# Altium PCB Flight_Controller.PcbDoc (part 1 of 2)
Units mm, origin at the board's own origin, x right, y up, seen from the top; angles counter-clockwise.
Board outline 50 x 50 mm, 2 copper layers (Top Layer, Bottom Layer), stack 1.569 mm thick; 102 components, 121 nets, 487 pads, 245 vias.
Unrouted connection lines stored in the file: 77.
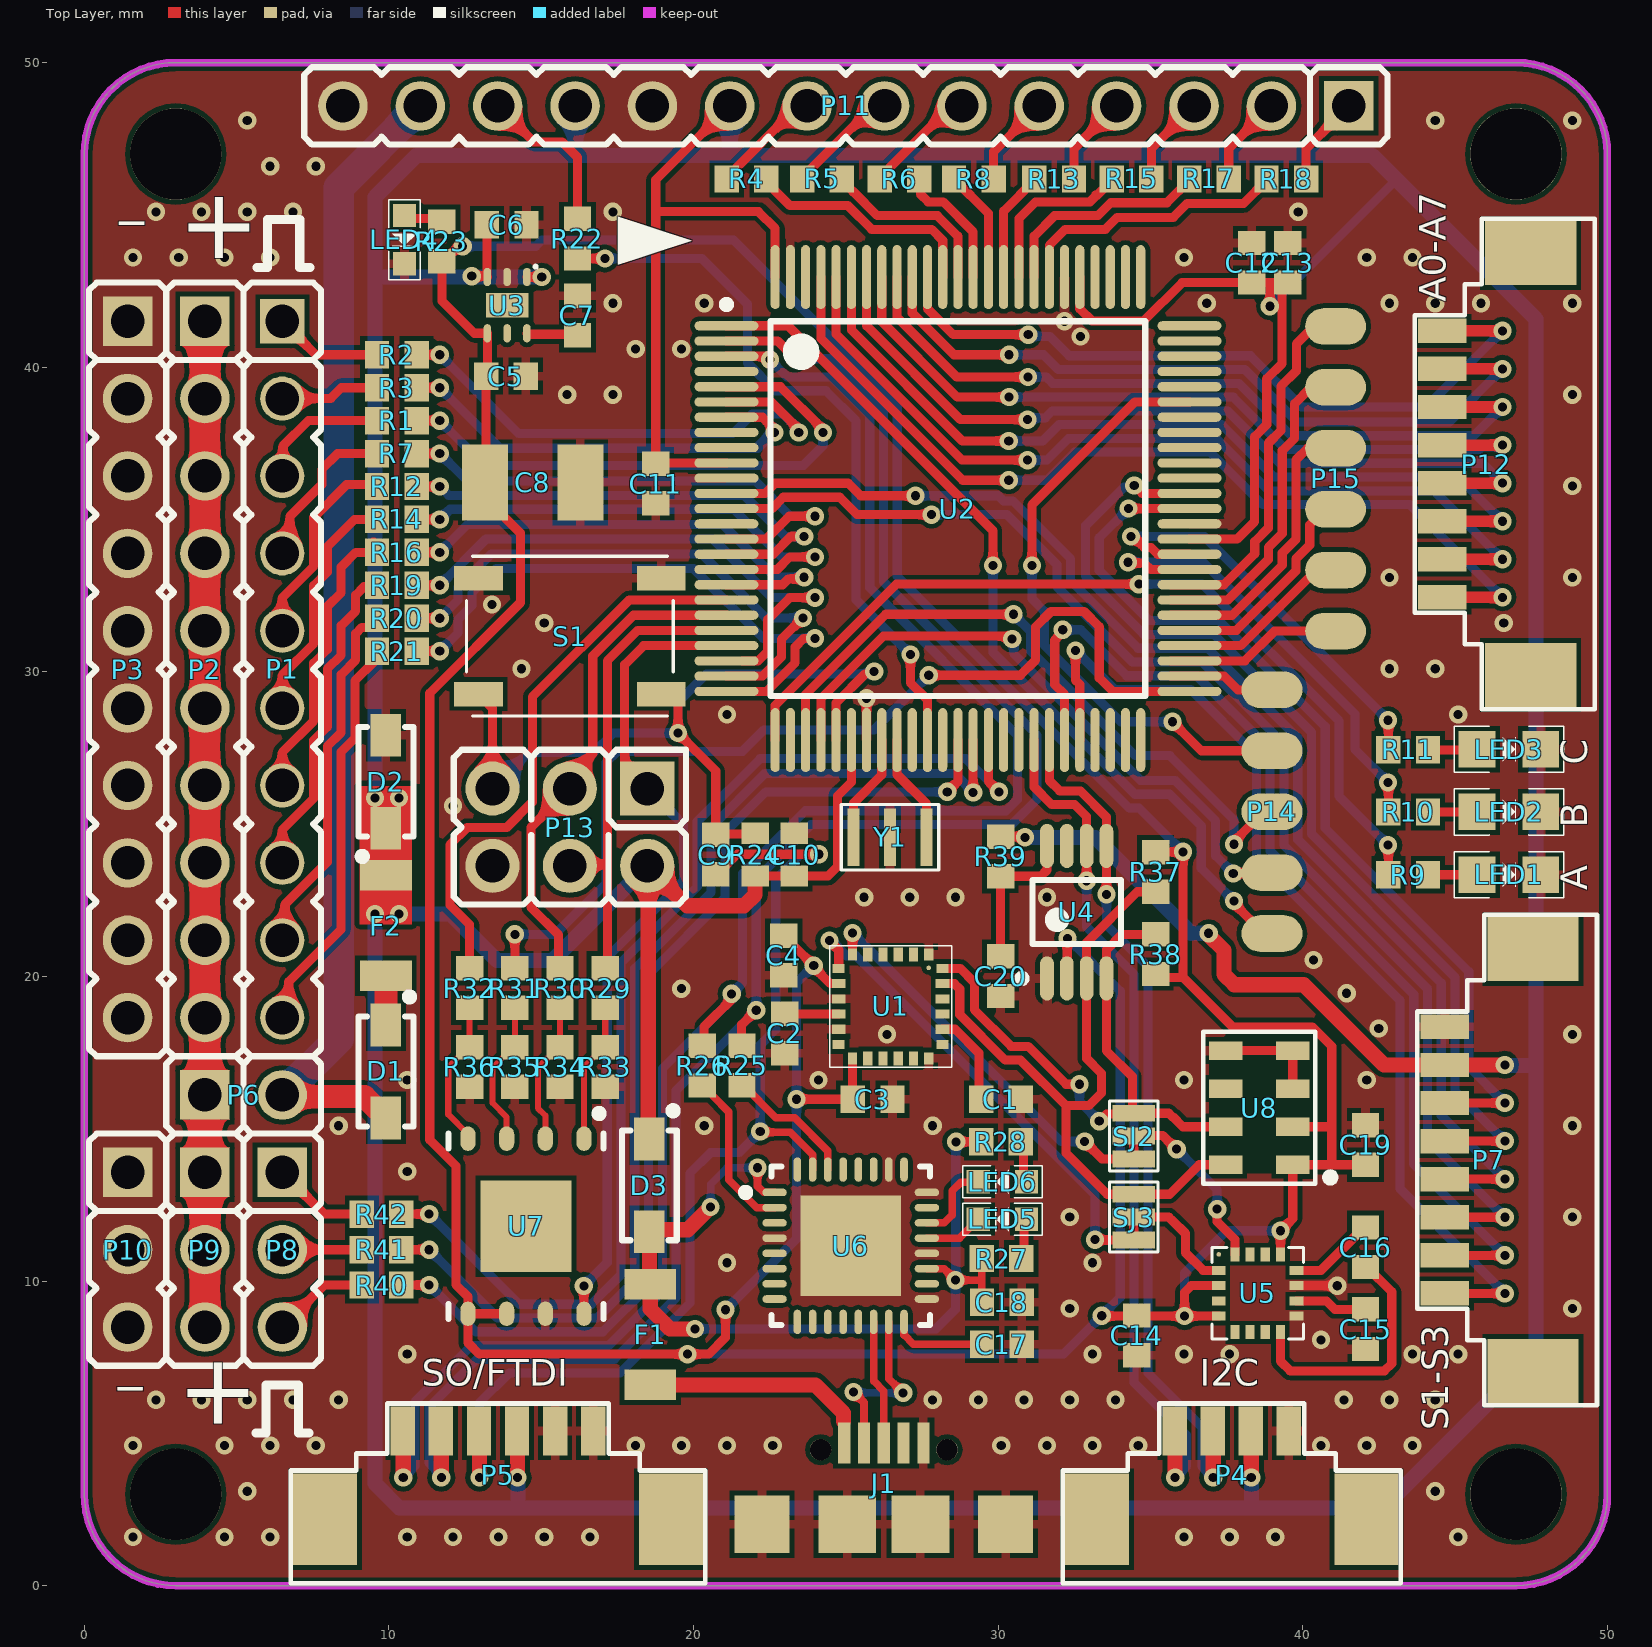
[diagram p0: Top Layer view]
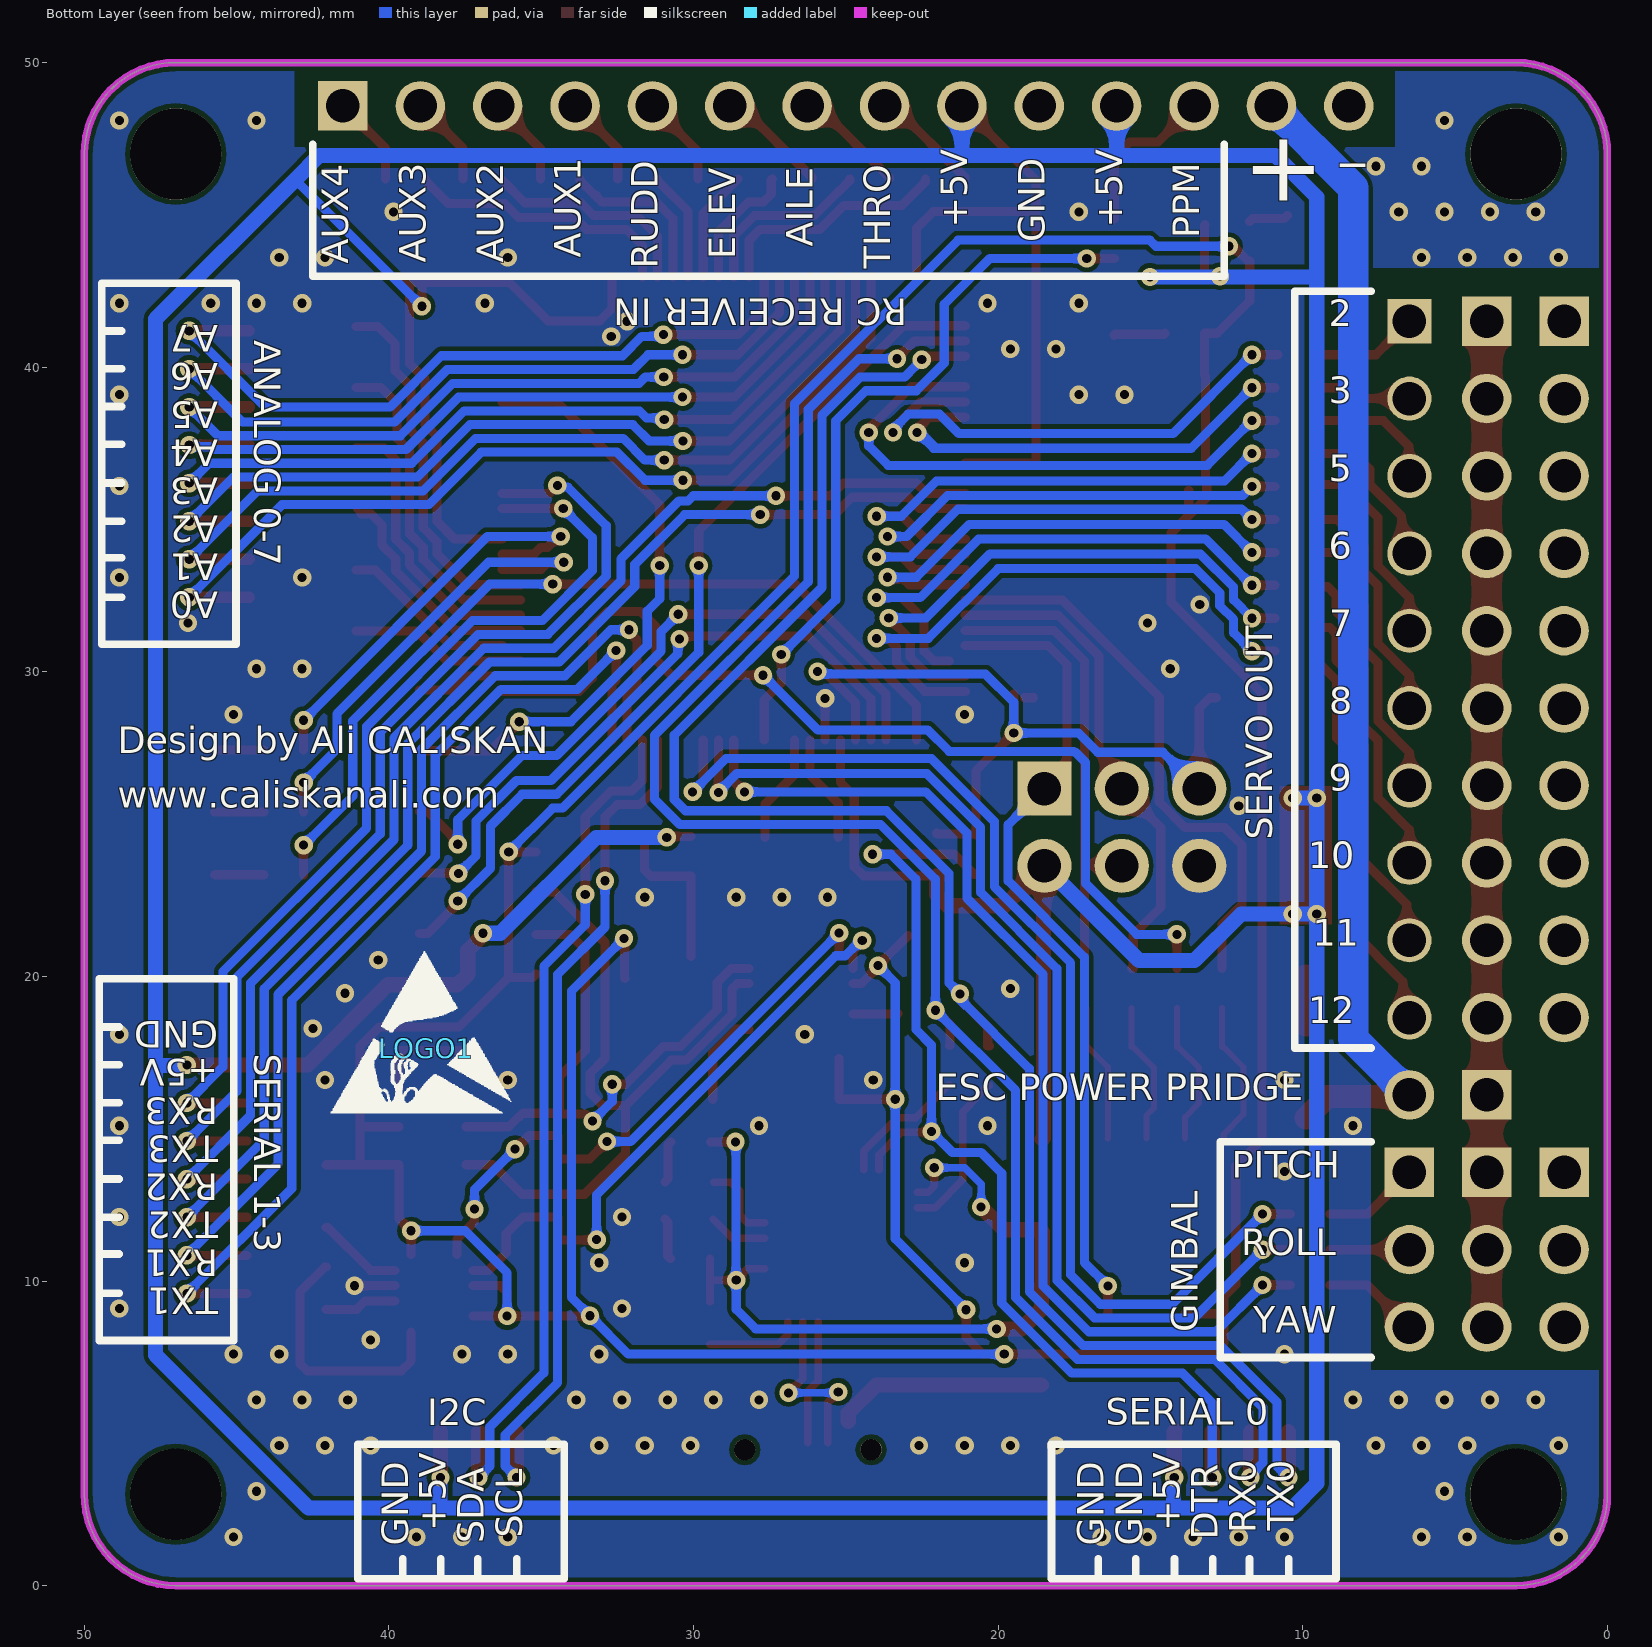
[diagram p1: Bottom Layer view, seen from below]
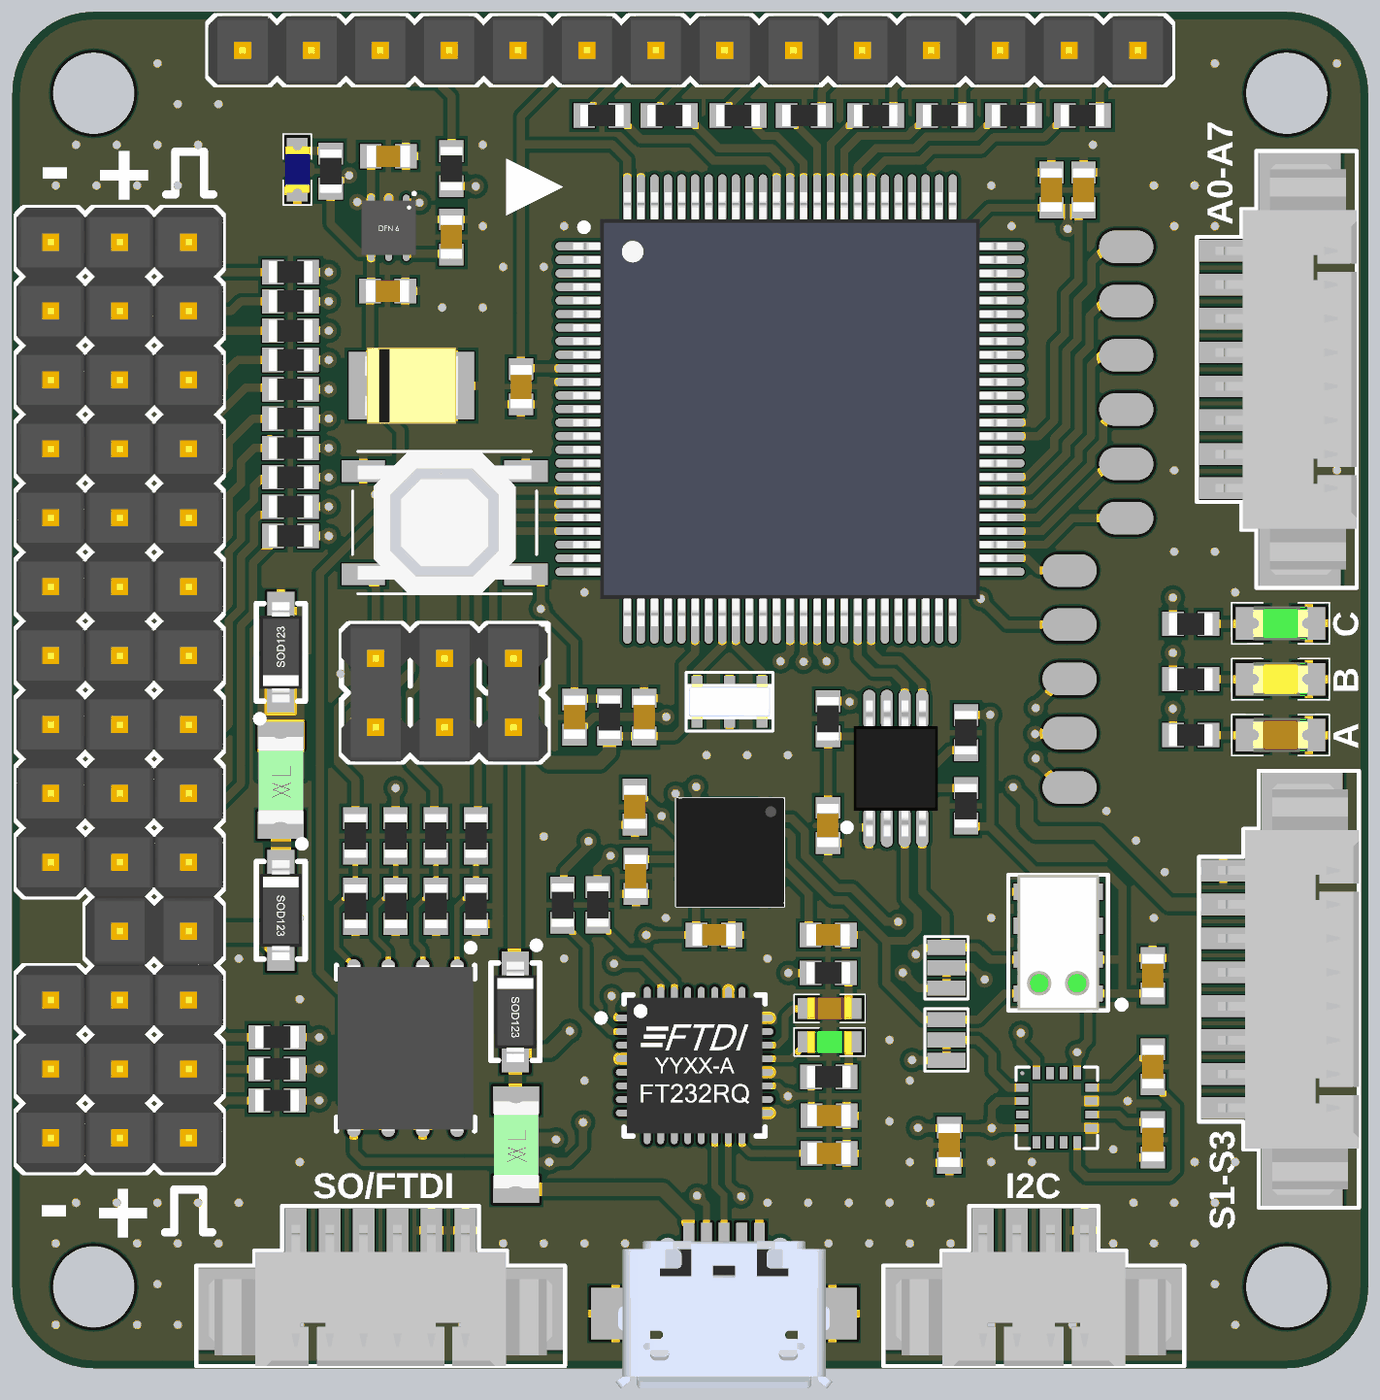
[diagram p3: 3D render of the assembled board from above, using the file's embedded part models]

## Layer stack, top to bottom
Top Solder: solder mask 0.0254, SM-003, Dk 4
Top Layer: signal copper 0.035
Dielectric 1: core 1.4986, Core-043, Dk 4.6
Bottom Layer: signal copper 0.035
Bottom Solder: solder mask 0.0254, SM-003, Dk 4

## Board outline
3,0 cw(c3,3) 0,3 0,47 cw(c3,47) 3,50 47,50 cw(c47,47) 50,47 50,3 cw(c47,3) 47,0

## Design rules (kind name [scope] priority, off if disabled: settings)
Clearance [All] p1: gap=0.152 ignorepadtopadclearanceinfootprint=FALSE
HoleSize [All] p1: absolutevalues=TRUE maxlimit=3 minlimit=0.025 maxpercent=80.000 minpercent=20.000
HoleToHoleClearance [All] p1: gap=0.1 allowstackedmicrovias=TRUE
MinimumSolderMaskSliver [All] p1: minsoldermaskwidth=0
PolygonConnect PolygonConnect_1 [InComponent('U3','U6','U5')] p1: connectstyle=Direct reliefconductorwidth=0.254 reliefentries=4 polygonreliefangle="90 Angle" airgapwidth=0.254
PolygonConnect [All] p2: thpad.connectstyle=Direct thpad.reliefconductorwidth=0.254 thpad.reliefentries=4 thpad.polygonreliefangle="90 Angle" thpad.airgapwidth=0.3 smdpad.connectstyle=Relief smdpad.reliefconductorwidth=0.3 smdpad.reliefentries=4 smdpad.polygonreliefangle="90 Angle" smdpad.airgapwidth=0.152 via.connectstyle=Direct via.reliefconductorwidth=0.254 via.reliefentries=4 via.polygonreliefangle="90 Angle" via.airgapwidth=0.254
RoutingVias [All] p1: holewidth=0.3 width=0.6 viastyle="Through Hole" minholewidth=0.3 minwidth=0.6 maxholewidth=0.3 maxwidth=0.6
SilkToSilkClearance [All] p1: silktosilkclearance=0.1
SilkToSolderMaskClearance [IsPad] p1: minsilkscreentomaskgap=0 clearancetoexposedcopper=TRUE
SolderMaskExpansion [All] p1: expansion=0.102
Width [All] p1 off: maxlimit=0.254 minlimit=0.254 preferedwidth=0.254
25 further rules are at their usual default settings.

## Classes and differential pairs
component class F: C20 R37 R38 R39 U4
component class C: C14 C15 C16 U5
component class D: R29 R30 R31 R32 R33 R34 R35 R36 U7
component class E: C1 C2 C3 C4 U1
component class Main: D1 D2 F2 LOGO1 P1 P2 P3 P4 P5 P6 P7 P8 P9 P10 P11 P12 SJ2 SJ3
component class A: C5 C6 C7 C8 C9 C10 C11 C12 C13 LED1 LED2 LED3 LED4 P13 P14 P15 R1 R2 R3 R4 R5 R6 R7 R8 R9 R10 R11 R12 R13 R14 R15 R16 R17 R18 R19 R20 R21 R22 R23 R24 R40 R41 R42 S1 U2 U3 Y1
component class G: C19 U8
component class B: C17 C18 D3 F1 J1 LED5 LED6 R25 R26 R27 R28 U6

## Components (designator, comment, footprint, x,y, rotation, side; value= is the part's Value field where it differs from the comment)
C1 "2.2nF" C0603(1608)#1 30.09,15.97 r180 top
C2 "100nF" C0603(1608)#1 22.99,18.13 r90 top
C3 "100nF" C0603(1608)#1 25.88,15.97 r180 top
C4 "10nF" C0603(1608)#1 22.96,20.69 r90 top
C5 "100nF" C0603(1608)#1 13.84,39.71 r180 top
C6 "100nF" C0603(1608)#1 13.865,44.68 r180 top
C7 "100nF" C0603(1608)#1 16.19,41.7 r270 top
C8 "47uF" TANT_C1411(3528) 14.72,36.22 r0 top
C9 "100nF" C0603(1608)#1 20.73,24 r90 top
C10 "100nF" C0603(1608)#2 23.3,24 r270 top
C11 "100nF" C0603(1608)#1 18.76,36.18 r90 top
C12 "100nF" C0603(1608)#1 38.32,43.43 r270 top
C13 "100nF" C0603(1608)#1 39.51,43.43 r270 top
C14 "100nF" C0603(1608)#1 34.55,8.22 r90 top
C15 "4.7uF" C0603(1608)#1 42.06,8.42 r90 top
C16 "220nF" C0603(1608)#1 42.06,11.11 r90 top
C17 "100nF" C0603(1608)#1 30.12,7.92 r180 top
C18 "100nF" C0603(1608)#1 30.12,9.31 r180 top
C19 "100nF" C0603(1608)#1 42.06,14.47 r270 top
C20 "100nF" C0603(1608)#1 30.08,20.01 r90 top
D1 "B5819W" SOD-123 9.9,16.88 r270 top
D2 "TVS" SOD-123 9.9,26.39 r90 top
D3 "B5819W" SOD-123 18.55,13.14 r270 top
F1 "1.5A" FUSE_1206(3216) 18.58,8.24 r90 top
F2 "1.5A" FUSE_1206(3216) 9.9,21.67 r90 top
J1 "MICRO USB" MICRO_USB 26.247,3.35 r0 top
LED1 "LED_RED" L0805_RED 46.77,23.34 r180 top
LED2 "LED_YEL" L0805_YEL 46.77,25.4 r180 top
LED3 "LED_GREEN" L0805_GRE 46.77,27.46 r180 top
LED4 "LED_BLUE" L0603_BLU 10.51,44.19 r90 top
LED5 "LED_GREEN" L0603_GRE 30.14,12.03 r0 top
LED6 "LED_RED" L0603_RED 30.14,13.26 r0 top
LOGO1 "ESD_LOGO" LOGO_ESD 38.78,17.64 r180 bottom
P1 "PWM" "Pin Header 1x10 TH Pitch 2.54mm"#1 6.5,41.51 r0 top
P2 "Header 10" "Pin Header 1x10 TH Pitch 2.54mm"#2 3.96,41.51 r0 top
P3 "Header 10" "Pin Header 1x10 TH Pitch 2.54mm"#2 1.42,41.51 r0 top
P4 "I2C" "MOLEX-CONN-PicoBlade 4POS 1.25MM" 37.67,3.63 r0 top
P5 "S0/FTDI" "MOLEX-CONN-PicoBlade 6POS 1.25MM" 13.58,3.63 r0 top
P6 "POWER" "Pin Header S/M 02x1 TH Pitch 2.54mm" 3.96,16.11 r90 top
P7 "S1-S3" "MOLEX-CONN-PicoBlade 8POS 1.25MM" 46.11,13.97 r90 top
P8 "GIMBAL" "Pin Header 1x3 TH Pitch 2.54mm" 6.5,13.57 r0 top
P9 "Header 3" "Pin Header 1x3 TH Pitch 2.54mm" 3.96,13.57 r0 top
P10 "Header 3" "Pin Header 1x3 TH Pitch 2.54mm" 1.42,13.57 r0 top
P11 "Header 14" "Pin Header 1x14 TH Pitch 2.54mm" 41.51,48.58 r270 top
P12 "A0-A7" "MOLEX-CONN-PicoBlade 8POS 1.25MM" 46.03,36.82 r90 top
P13 "Header 3X2A" "Pin Header 2x3 TH Pitch 2.54mm" 18.48,26.17 r180 top
P14 "Header 5" "PAD-1x5 2MM" 38.99,29.41 r270 top
P15 "Header 6" "PAD-1x6 2MM" 41.08,31.34 r90 top
R1 "220R" R0603(1608)#1 10.26,38.248 r0 top
R2 "220R" R0603(1608)#1 10.26,40.41 r0 top
R3 "220R" R0603(1608)#1 10.26,39.329 r0 top
R4 "220R" R0603(1608)#1 21.74,46.18 r180 top
R5 "220R" R0603(1608)#1 24.22,46.18 r180 top
R6 "220R" R0603(1608)#1 26.76,46.18 r180 top
R7 "220R" R0603(1608)#1 10.26,37.167 r0 top
R8 "220R" R0603(1608)#1 29.2,46.18 r0 top
R9 "1K" R0603(1608)#1 43.46,23.34 r180 top
R10 "1K" R0603(1608)#1 43.46,25.4 r180 top
R11 "10K" R0603(1608)#1 43.46,27.44 r180 top
R12 "220R" R0603(1608)#1 10.26,36.086 r0 top
R13 "220R" R0603(1608)#1 31.84,46.18 r0 top
R14 "220R" R0603(1608)#1 10.26,35.004 r0 top
R15 "220R" R0603(1608)#1 34.38,46.18 r0 top
R16 "220R" R0603(1608)#1 10.26,33.923 r0 top
R17 "220R" R0603(1608)#1 36.92,46.18 r0 top
R18 "220R" R0603(1608)#1 39.46,46.18 r0 top
R19 "220R" R0603(1608)#1 10.26,32.842 r0 top
R20 "220R" R0603(1608)#1 10.26,31.761 r0 top
R21 "220R" R0603(1608)#1 10.26,30.68 r0 top
R22 "220R" R0603(1608)#1 16.19,44.22 r270 top
R23 "1K" R0603(1608)#1 11.74,44.13 r270 top
R24 "10K" R0603(1608)#2 22.02,24 r90 top
R25 "220R" R0603(1608)#1 21.59,17.08 r90 top
R26 "220R" R0603(1608)#1 20.29,17.07 r90 top
R27 "1K" R0603(1608)#1 30.11,10.74 r180 top
R28 "1K" R0603(1608)#1 30.09,14.57 r180 top
R29 "4K7" R0603(1608)#1 17.1,19.62 r90 top
R30 "4K7" R0603(1608)#1 15.617,19.62 r90 top
R31 "4K7" R0603(1608)#1 14.133,19.62 r90 top
R32 "4K7" R0603(1608)#1 12.65,19.62 r90 top
R33 "10K" R0603(1608)#1 17.1,17.03 r270 top
R34 "10K" R0603(1608)#1 15.617,17.03 r270 top
R35 "10K" R0603(1608)#1 14.133,17.03 r270 top
R36 "10K" R0603(1608)#1 12.65,17.03 r270 top
R37 "2K2" R0603(1608)#1 35.17,23.43 r90 top
R38 "2K2" R0603(1608)#1 35.17,20.73 r270 top
R39 "200K" R0603(1608)#1 30.08,23.94 r90 top
R40 "220R" R0603(1608)#1 9.76,9.87 r0 top
R41 "220R" R0603(1608)#1 9.76,11.03 r0 top
R42 "220R" R0603(1608)#1 9.76,12.2 r0 top
S1 "SW-PB" SWITCH_PTS525SM15 15.94,31.17 r0 top
SJ2 "DATA" JUMPER_3 34.45,14.76 r270 top
SJ3 "CLOCK" JUMPER_3 34.45,12.1 r270 top
U1 "MPU-6050" "LGA 24" 26.47,19.015 r270 top
U2 "ATMEGA2560" 100A_M 28.68,35.36 r0 top
U3 "MIC5219-3.3YML TR" 6-ML 13.88,42.04 r270 top
U4 "PCA9306DP1" 8-TSSOP 32.58,22.11 r90 top
U5 "HMC5883L" "LGA 16 - 3x3" 38.52,9.6 r0 top
U6 "FT232RQ" QFN-32 25.16,11.16 r180 top
U7 "AT45DB161E" "8-UDFN 5x6" 14.5,11.8 r270 top
U8 "MS5611-01BA" MS5611-01BA01 38.57,15.69 r180 top
Y1 "16MHz" XTAL_RESONATOR_3.2x1.3 26.45,24.57 r180 top

## Footprints (in the part's own frame and the unit in brackets; to place one, negate y for a bottom-side part, rotate by r counter-clockwise, add the part's x,y. Pads: shape width x height; smd on the part's side, far side on the other; paste and mask are expansions set on the pad)
6-ML [mm]
  oval 0.6x0.25 smd mask+0.05: 1(-0.925,0.65) 2(-0.925,0) 3(-0.925,-0.65) 4(0.925,-0.65) 5(0.925,0) 6(0.925,0.65)
  rect 0.8x1.4 smd mask+0.05: 7(0,0)
  silkscreen extent -1.31,0.89 -1.21,0.99, body extent -1,-1 1,1, height 0.75
8-TSSOP [mm]
  oval 1.45x0.45 smd mask+0.05: 1(-2.175,0.975) 2(-2.175,0.325) 3(-2.175,-0.325) 4(-2.175,-0.975) 5(2.175,-0.975) 6(2.175,-0.325) 7(2.175,0.325) 8(2.175,0.975)
  silkscreen extent -2.3,-1.45 1.05,1.92, body extent -2.5,-1.55 2.5,1.55, height 1.1
"8-UDFN 5x6" [mm] "PQFN, 8-Leads, Body 6,00x5,00mm, Pitch 1,27mm, Thermal Pad 3,40x4,00mm, IPC Medium Density"
  oval 0.8x0.5 smd: 1(-2.875,1.905) 2(-2.875,0.635) 3(-2.875,-0.635) 4(-2.875,-1.905) 5(2.875,-1.905) 6(2.875,-0.635) 7(2.875,0.635) 8(2.875,1.905)
  rect 3x3 smd: 9(0,0)
  silkscreen extent -3.82,-2.55 3.05,2.55, body extent -3.05,-2.5 3.05,2.5, height 0.95
100A_M [mm] "Thin QFP, 100-Leads, Body 14x14mm, Pitch 0.5mm, IPC Low Density"
  oval 2.1x0.3 smd mask+0.05: 1(-7.6,6) 2(-7.6,5.5) 3(-7.6,5) 4(-7.6,4.5) 5(-7.6,4) 6(-7.6,3.5) 7(-7.6,3) 8(-7.6,2.5) 9(-7.6,2) 10(-7.6,1.5) 11(-7.6,1) 12(-7.6,0.5) 13(-7.6,0) 14(-7.6,-0.5) 15(-7.6,-1) 16(-7.6,-1.5) 17(-7.6,-2) 18(-7.6,-2.5) 19(-7.6,-3) 20(-7.6,-3.5) 21(-7.6,-4) 22(-7.6,-4.5) 23(-7.6,-5) 24(-7.6,-5.5) 25(-7.6,-6) 51(7.6,-6) 52(7.6,-5.5) 53(7.6,-5) 54(7.6,-4.5) 55(7.6,-4) 56(7.6,-3.5) 57(7.6,-3) 58(7.6,-2.5) 59(7.6,-2) 60(7.6,-1.5) 61(7.6,-1) 62(7.6,-0.5) 63(7.6,0) 64(7.6,0.5) 65(7.6,1) 66(7.6,1.5) 67(7.6,2) 68(7.6,2.5) 69(7.6,3) 70(7.6,3.5) 71(7.6,4) 72(7.6,4.5) 73(7.6,5) 74(7.6,5.5) 75(7.6,6)
  oval 0.3x2.1 smd mask+0.05: 26(-6,-7.6) 27(-5.5,-7.6) 28(-5,-7.6) 29(-4.5,-7.6) 30(-4,-7.6) 31(-3.5,-7.6) 32(-3,-7.6) 33(-2.5,-7.6) 34(-2,-7.6) 35(-1.5,-7.6) 36(-1,-7.6) 37(-0.5,-7.6) 38(0,-7.6) 39(0.5,-7.6) 40(1,-7.6) 41(1.5,-7.6) 42(2,-7.6) 43(2.5,-7.6) 44(3,-7.6) 45(3.5,-7.6) 46(4,-7.6) 47(4.5,-7.6) 48(5,-7.6) 49(5.5,-7.6) 50(6,-7.6) 76(6,7.6) 77(5.5,7.6) 78(5,7.6) 79(4.5,7.6) 80(4,7.6) 81(3.5,7.6) 82(3,7.6) 83(2.5,7.6) 84(2,7.6) 85(1.5,7.6) 86(1,7.6) 87(0.5,7.6) 88(0,7.6) 89(-0.5,7.6) 90(-1,7.6) 91(-1.5,7.6) 92(-2,7.6) 93(-2.5,7.6) 94(-3,7.6) 95(-3.5,7.6) 96(-4,7.6) 97(-4.5,7.6) 98(-5,7.6) 99(-5.5,7.6) 100(-6,7.6)
  silkscreen extent -7.72,-6.15 6.15,6.82, body extent -8,-8 8,8, height 1.61
C0603(1608)#1 [mm] "Chip Capacitor, Body 1.0x0.5mm, Height 0.6mm, IPC Low Density"
  rect 0.8x0.9 smd mask+0.05: 1(-0.65,0) 2(0.65,0)
  body extent -0.8,-0.4 0.8,0.4, height 0.9
C0603(1608)#2 [mm] "Chip Capacitor, Body 1.0x0.5mm, Height 0.6mm, IPC Low Density"
  rect 0.7x0.9 smd mask+0.05: 1(-0.7,0) 2(0.7,0)
  body extent -0.8,-0.4 0.8,0.4, height 0.9
FUSE_1206(3216) [mm] "FUSE BRD MNT 1.5A 63VAC/VDC 1206"
  rect 1x1.7 smd: 1(-1.65,0) 2(1.65,0)
  body extent -1.6,-0.83 1.6,0.83, height 0.56
JUMPER_3 [mm]
  rect 0.55x1.4 smd mask+0.05: 1(0,0) 2(-0.75,0) 3(0.75,0)
  silkscreen extent -1.15,-0.8 1.15,0.8
L0603_BLU [mil]
  rect 30x30 smd: 1(31.1,0) 2(-31.1,0)
  silkscreen extent -52,-20 52,20, body extent -33,-18 33,18, height 35
L0603_GRE [mil]
  rect 30x30 smd: 1(31.1,0) 2(-31.1,0)
  silkscreen extent -52,-20 52,20, body extent -32,-16 32,16, height 43